# KiCad board keyboard.kicad_pcb (continued)
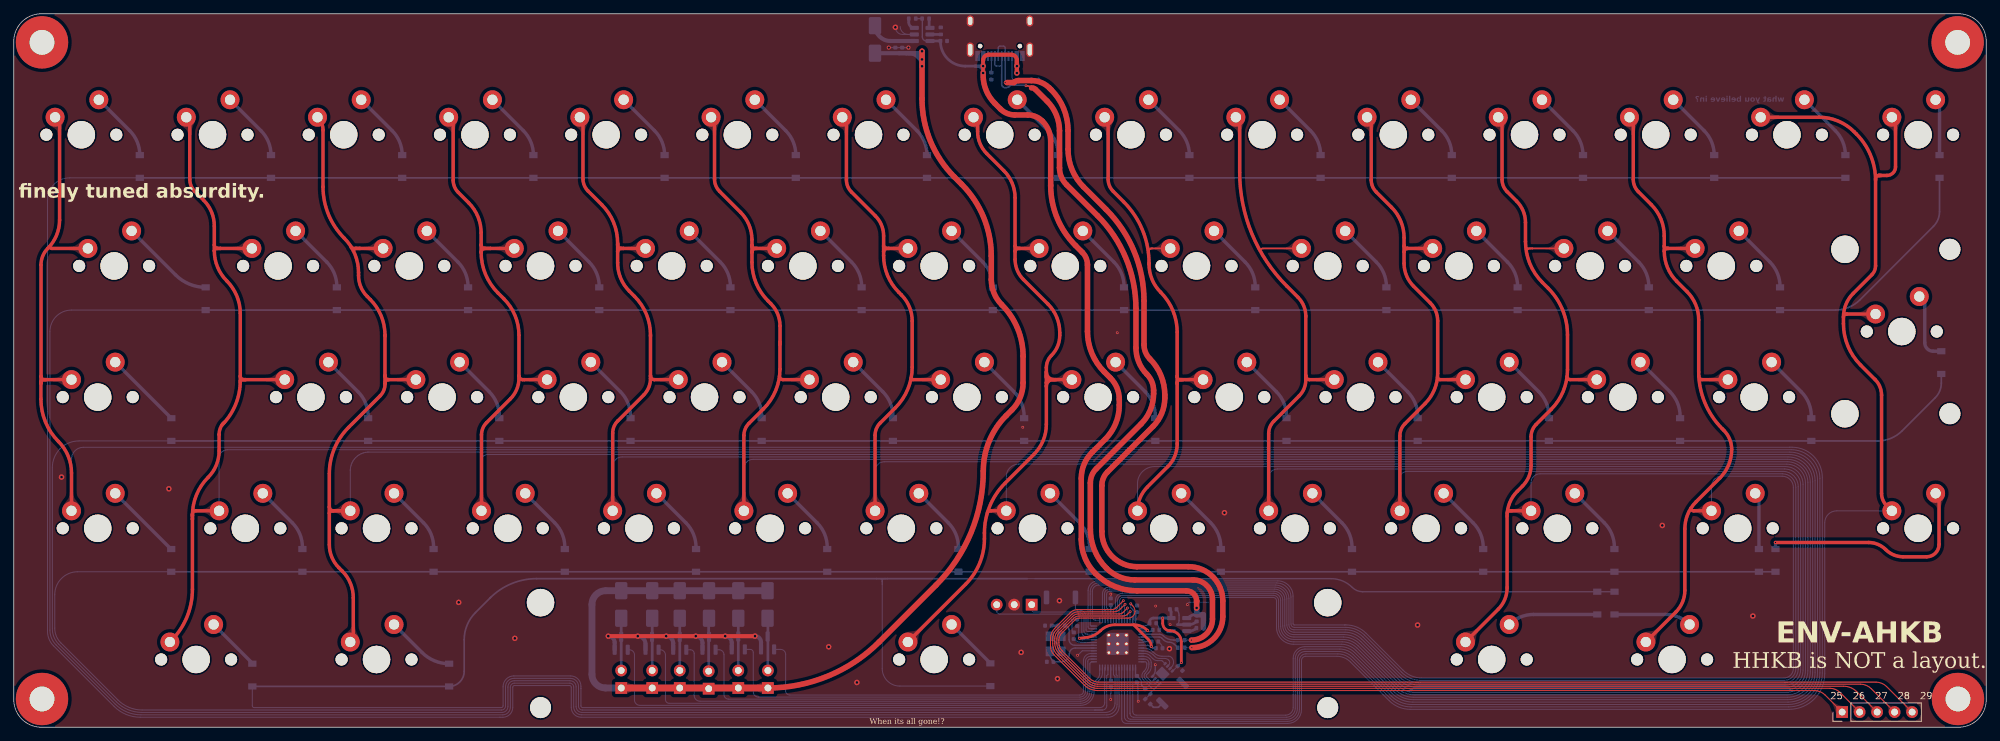
[diagram p0: board, top side]
## Routing (per net, layer and track width the routed paths; a pad name or vN(x,y) marks a point on that pad's centre or on a via; arc(x,y) is an arc through that point) (continued)
  Bottom w0.4: 168.95,14.9 U1.2 170.62,14.9 arc(171.23,15.02) C16.2
  Bottom w0.6: Q6.2 87.25,12.3 arc(86.98,12.95) v2(86.33,13.23) ; Q3.2 100,12.25 arc(99.71,12.94) v2(99.02,13.23) ; Q1.2 104.25,12.27 arc(103.97,12.95) v2(103.3,13.23) ; Q2.2 108.5,12.35 arc(108.24,12.97) v2(107.63,13.23) ; Q5.2 91.73,12.1 arc(91.4,12.9) v2(90.6,13.23) ; Q4.2 95.75,12.2 arc(95.45,12.92) v2(94.73,13.23)
  vias: v1(146.51,43.56) v1(160.22,57.28) v1(165.8,17.6) v1(167.9,14.9) v2(6.93,36.33) v2(22.52,34.62) v2(64.6,18.13) v2(72.75,12.91) v2(118.33,11.68) v2(122.42,6.5) v2(146.27,10.87) v2(151.55,7.05) v2(151.83,18.38) v2(167.8,11.4) v2(175.79,31.15) v2(203.83,14.84) v2(239.37,29.3) v2(252.52,16.15)
VBUS: length 141.7
  Top w0.5: 140.75,94.69 v2(140.75,96) 140.75,96.85
  Top w0.6: v2(145.65,96) 145.65,96.87 arc(145.42,97.43) 144.86,97.66 141.56,97.66 arc(140.99,97.42) 140.75,96.85 ; 145.65,96.71 v2(145.65,95)
  Top w0.8: v2(171.75,17.32) 171.75,18.33 arc(171.32,19.38) 170.27,19.81 163.11,19.81 arc(159.83,20.46) 157.05,22.32 arc(155.53,24.59) 155,27.27 155,36.13 arc(155.41,38.17) 156.56,39.9 158.47,41.81 arc(159.99,44.08) 160.52,46.76 160.52,47.61 arc(160.19,49.28) 159.24,50.7 158.34,51.6 arc(156.53,54.3) 155.9,57.49 155.9,67.14 arc(155.7,68.13) 155.14,68.97 154.18,69.93 arc(151.5,73.94) 150.56,78.67 150.56,85.11 arc(150.25,86.68) 149.36,88.01 arc(148.36,88.68) 147.19,88.91 145.34,88.91 arc(144.22,89.13) 143.27,89.77 142.45,90.59 arc(141.19,92.47) 140.75,94.69
  Bottom w0.15: J1.A9 145.65,96.45
  Bottom w0.2: U2.6 132.52,99.65 arc(132.1,99.83) 131.92,100.25 131.92,102.87 arc(131.91,102.89) R9.1 R10.1
  Bottom w0.4: 139.57,96 v2(140.75,96) ; 139.57,96 138.16,96 arc(135.61,97.06) 134.55,99.61 C19.1 U2.6 ; 139.57,96 140.22,96 arc(140.6,96.15) 140.75,96.53 J1.A4 ; 139.57,96 139.75,96 arc(140.46,95.71) v2(140.75,95) ; C16.1 171.43,16.33 arc(171.06,16.26) 170.75,16.05 170.72,16.02 arc(170.53,15.89) U1.1
  Bottom w0.6: J1.A4 v2(140.75,96) v2(140.75,95) ; v2(145.65,95) v2(145.65,96) J1.A9
  Bottom w0.8: R7.2 172.73,16.33 C16.1 v2(171.75,17.32)
/QSPI_SS: length 9.1
  Bottom w0.15: 165.8,5.72 U103.1 ; 165.8,5.72 165.12,5.05 arc(165.06,4.95) R1.1 ; 165.8,5.72 arc(165.49,5.6) 165.18,5.72 164.06,6.84 arc(163.81,7.46) 164.06,8.08 164.15,8.16 arc(164.42,8.57) 164.51,9.05 164.51,9.25 arc(164.44,9.43) 164.26,9.5 U101.56 ; R8.2 164.77,4.57 arc(164.96,4.69) 165.19,4.74
/USB_D+: length 120.8
  Top w0.25: v1(143.95,93.61) 144.21,93.61
  Top w0.8: 144.21,93.61 145.2,93.61 145.26,93.66 arc(145.56,93.84) 145.9,93.9 147.75,93.9 arc(149.18,93.62) 150.4,92.8 150.63,92.57 arc(152.44,89.86) 153.08,86.66 153.08,83.89 arc(153.66,80.95) 155.33,78.46 158.6,75.19 arc(162.68,69.09) 164.11,61.89 164.11,55.54 arc(164.33,54.43) 164.96,53.49 arc(166.57,51.09) 167.13,48.25 167.13,47.82 arc(166.68,45.57) 165.41,43.67 158.8,37.06 arc(158.2,36.16) 157.99,35.1 157.99,28.42 arc(159.49,24.81) 163.1,23.31 170.58,23.31 arc(174.09,21.85) 175.55,18.34 175.55,16.05 arc(174.23,12.87) v1(171.05,11.55)
  Bottom w0.15: 170.03,11.55 v1(171.05,11.55)
  Bottom w0.2: v1(143.95,93.61) J1.B6 143.95,98.65 arc(143.88,98.83) 143.7,98.9 143.2,98.9 arc(143.02,98.83) 142.95,98.65 J1.A6
/USB_D-: length 117.5
  Top w0.25: v1(146.97,93.15) 147.04,93.15 arc(147.45,93.07) 147.79,92.84
  Top w0.8: 147.79,92.84 arc(148.09,92.78) 148.35,92.61 150.05,90.91 arc(151.37,88.93) 151.84,86.59 151.84,81.24 arc(152.1,79.91) 152.86,78.78 157.35,74.29 arc(161.49,68.1) 162.94,60.8 162.94,55.09 arc(163.35,53.01) 164.53,51.25 arc(165.25,50.18) 165.5,48.91 165.5,48.44 arc(165.03,46.06) 163.67,44.04 157.17,37.53 arc(156.54,36.59) 156.32,35.48 156.32,28.75 arc(156.93,25.68) 158.67,23.08 arc(160.54,21.83) 162.75,21.39 171.24,21.39 arc(173.23,20.57) 174.05,18.58 174.05,15.7 arc(173.16,13.54) v1(171,12.65)
  Bottom w0.15: 170.03,12.65 v1(171,12.65)
  Bottom w0.2: J1.B7 142.45,96.26 arc(142.52,96.08) 142.7,96.01 143.2,96.01 arc(143.38,96.08) 143.45,96.26 143.45,96.55 ; 143.45,96.55 J1.A7 ; 143.45,96.55 143.45,94.87
  Bottom w0.25: 143.45,94.87 143.45,93.39 arc(143.61,93.02) 143.98,92.86 arc(144.37,92.94) 144.7,93.16 144.76,93.22 arc(144.78,93.23) 144.81,93.24 146.96,93.24 146.96,93.17 arc(146.96,93.16) v1(146.97,93.15)
col0: length 487.6
  Top w0.5: 10.76,69.53 5.53,69.53 arc(5.33,69.61) 5.24,69.81 ; K_42.1 8.38,36.92 arc(7.89,39.4) 6.49,41.49 arc(4.6,44.31) 3.94,47.65 3.94,49.94 ; 3.95,50.92 3.95,49.95 arc(3.95,49.94) 3.94,49.94 ; 3.95,50.92 3.95,67.15 arc(4.21,68.44) 4.94,69.53 arc(6.21,71.42) 6.65,73.66 6.65,87.92 K_0.1 ; 3.95,50.92 arc(4.09,50.61) 4.4,50.48 4.69,50.48 ; 4.69,50.48 4.19,50.48 arc(4.01,50.4) 3.94,50.22 3.94,49.94 ; 4.69,50.48 K_29.1
  Bottom w0.15: U101.5 161.27,1.53 arc(161.47,1.05) 161.95,0.85 184.95,0.85 arc(186.17,1.36) 186.67,2.58 186.67,9.7 arc(186.95,10.37) 187.62,10.65 192.25,10.65 arc(193.32,10.44) 194.23,9.83 199.84,4.22 arc(201.25,3.28) 202.9,2.95 257.67,2.95 arc(261.16,4.39) 262.6,7.88 262.6,36.23 ; K_42.1 8.38,38.93 arc(8.89,40.15) 10.1,40.65 257.88,40.65 257.88,40.66 258.21,40.66 arc(261.32,39.37) 262.6,36.27
col1: length 494.6
  Top w0.5: K_43.1 26.4,31.43 arc(26.07,31.29) 25.94,30.97 25.94,30.23 ; 25.94,30.23 25.94,20.02 arc(25.14,15.98) 22.85,12.55 K_56.1 ; 25.94,30.23 25.94,30.76 arc(26.54,33.75) 28.23,36.29 arc(29.4,38.04) 29.81,40.11 29.81,42.5 arc(30,43.46) 30.54,44.27 ; 33.65,50.48 33.25,50.48 arc(32.99,50.37) 32.89,50.11 ; 33.65,50.48 K_30.1 ; 33.65,50.48 33.39,50.48 arc(33.03,50.62) 32.89,50.97 ; 32.89,50.97 32.89,60.08 arc(32.38,62.64) 30.93,64.81 arc(29.59,66.81) 29.12,69.18 ; 32.89,50.97 32.89,50.32 arc(32.19,46.82) 30.21,43.86 ; 29.12,69.18 29.12,70 ; 29.12,69.18 arc(29.22,69.42) 29.47,69.53 29.99,69.53 ; 29.12,70 29.12,72.78 arc(28.72,74.81) 27.56,76.53 26.28,77.82 arc(25.74,78.63) 25.55,79.59 25.55,88.07 K_1.1 ; 29.12,70 arc(29.26,69.66) 29.6,69.53 29.99,69.53 ; 34.57,69.53 29.99,69.53
  Bottom w0.15: K_43.1 29.81,39.04 29.81,39.15 29.85,39.36 29.93,39.57 30.04,39.76 30.18,39.93 30.35,40.07 30.54,40.18 30.75,40.26 30.96,40.3 31.07,40.3 258.07,40.3 arc(261.03,39.08) 262.25,36.13 262.25,7.9 arc(260.9,4.65) 257.65,3.3 203.02,3.3 arc(201.39,3.62) 200.01,4.55 194.41,10.14 arc(193.46,10.78) 192.34,11 187.52,11 arc(186.71,10.66) 186.38,9.85 186.38,2.68 arc(185.93,1.6) 184.85,1.15 162.16,1.15 arc(161.82,1.29) 161.67,1.64 U101.4
col2: length 472.8
  Top w0.5: 53.9,51.05 53.9,56.94 arc(53.34,59.74) 51.76,62.11 51.32,62.55 arc(50.39,63.95) 50.06,65.59 50.06,66.01 arc(49.52,68.72) 47.99,71.01 arc(45.7,74.43) 44.9,78.47 44.9,86.74 arc(44.71,87.7) 44.17,88.51 K_2.1 ; 53.9,51.05 53.9,50.99 arc(54.05,50.63) 54.42,50.48 ; 53.9,51.05 53.9,49.96 ; 50.26,69.53 49.67,69.53 arc(49.42,69.42) 49.31,69.17 ; 50.26,69.53 53.62,69.53 ; 50.26,69.53 49.24,69.53 arc(49.04,69.61) 48.96,69.81 ; 53.9,49.96 53.9,49.8 arc(53.72,48.9) 53.21,48.14 48.61,43.53 arc(46.54,40.44) 45.82,36.8 45.82,32.02 ; 53.9,49.96 arc(54.05,50.32) 54.42,50.48 ; 45.82,32.02 45.82,31.07 ; 45.82,32.02 arc(45.99,31.6) 46.42,31.43 K_44.1 46.17,31.43 arc(45.92,31.32) 45.82,31.07 ; 45.82,31.07 45.82,26.5 arc(46.18,24.7) 47.2,23.17 47.69,22.68 arc(48.88,20.9) 49.3,18.8 49.3,12.81 K_57.1 ; K_31.1 54.42,50.48
  Bottom w0.15: K_44.1 48.86,37.26 48.86,37.42 48.9,37.75 48.98,38.06 49.1,38.37 49.25,38.65 49.43,38.92 49.65,39.16 49.89,39.38 50.16,39.56 50.45,39.72 50.75,39.83 51.07,39.91 51.39,39.95 51.55,39.95 257.88,39.95 arc(260.72,38.77) 261.9,35.93 261.9,7.93 arc(260.65,4.9) 257.62,3.65 203.15,3.65 arc(201.53,3.97) 200.16,4.89 194.51,10.54 arc(193.61,11.14) 192.55,11.35 187.46,11.35 arc(186.48,10.94) 186.07,9.97 186.07,2.75 arc(185.69,1.83) 184.77,1.45 162.61,1.45 arc(162.23,1.61) 162.08,1.98 162.07,2.05 U101.3
col3: length 424.6
  Top w0.5: 73.35,51.02 73.35,50.68 arc(73.03,49.06) 72.11,47.69 68.64,44.22 arc(68.1,43.41) 67.91,42.45 K_45.1 ; 73.35,51.02 73.35,56.93 arc(72.78,59.78) 71.17,62.2 70.3,63.07 arc(68.49,65.77) 67.86,68.96 ; 73.35,51.02 arc(73.51,50.63) 73.89,50.48 K_32.1 ; 67.86,68.96 67.86,70.05 ; 67.86,68.96 arc(68.03,69.36) 68.42,69.53 69.2,69.53 ; 67.86,70.05 67.86,71.79 arc(67.39,74.15) 66.06,76.14 64.53,77.67 arc(63.99,78.48) 63.8,79.44 63.8,87.92 K_3.1 ; 67.86,70.05 arc(68.01,69.68) 68.39,69.53 69.2,69.53 ; 69.2,69.53 72.67,69.53
  Bottom w0.15: U101.2 162.47,2.25 arc(162.62,1.9) 162.97,1.75 184.65,1.75 arc(185.45,2.08) 185.77,2.88 185.77,10.01 arc(186.27,11.21) 187.46,11.7 192.65,11.7 arc(193.75,11.48) 194.69,10.85 200.35,5.19 arc(201.67,4.31) 203.23,4 257.57,4 arc(260.39,5.16) 261.55,7.98 261.55,35.8 arc(260.44,38.49) 257.75,39.6 68.78,39.6 arc(68.17,39.35) 67.91,38.74 K_45.1
col4: length 397.8
  Top w0.5: K_46.1 86.96,42.7 arc(87.15,43.66) 87.69,44.47 91.45,48.23 arc(92.19,49.33) 92.45,50.64 92.45,51.04 ; 92.45,51.04 92.45,56.96 arc(91.85,60) 90.12,62.58 89.38,63.32 arc(88.12,65.2) 87.68,67.42 87.68,69.07 ; 92.45,51.04 arc(92.62,50.64) 93.02,50.48 K_33.1 ; 88.51,69.53 88.16,69.53 arc(87.82,69.67) 87.68,70.01 87.68,70.16 ; 88.51,69.53 88.13,69.53 arc(87.81,69.39) 87.68,69.07 ; 88.51,69.53 91.72,69.53 ; 87.68,69.07 87.68,70.16 ; K_4.1 82.65,88.12 82.65,79.64 arc(82.84,78.68) 83.38,77.87 85.38,75.86 arc(87.08,73.32) 87.68,70.32 87.68,70.16
  Bottom w0.15: U101.36 160.47,17.06 160.57,17.15 160.57,18.4 arc(160.7,18.72) 161.02,18.85 182.87,18.85 arc(183.21,18.71) 183.35,18.37 183.35,14.52 arc(184.07,12.77) 185.82,12.05 192.76,12.05 arc(193.9,11.82) 194.86,11.18 200.57,5.47 arc(201.81,4.64) 203.28,4.35 257.55,4.35 arc(260.13,5.42) 261.2,8 261.2,35.68 arc(260.15,38.2) 257.62,39.25 88.33,39.25 arc(87.36,38.85) 86.96,37.89 K_46.1
col5: length 377.6
  Top w0.5: 107.9,69.53 107.7,69.53 arc(107.33,69.37) 107.18,69 107.18,68.96 ; 107.9,69.53 110.77,69.53 ; 107.9,69.53 107.56,69.53 arc(107.29,69.64) 107.18,69.9 107.18,70.02 ; 107.18,70.02 107.18,68.96 ; 107.18,70.02 107.18,70.8 arc(106.75,72.94) 105.54,74.76 102.48,77.82 arc(101.94,78.63) 101.75,79.59 101.75,88.07 K_5.1 ; K_34.1 111.67,50.48 arc(111.32,50.62) 111.18,50.96 ; 107.18,68.96 107.18,67.54 arc(107.78,64.5) 109.51,61.92 109.91,61.52 arc(110.91,60.03) 111.26,58.26 111.26,55.58 ; 111.25,56.02 111.25,52.01 arc(110.63,48.88) 108.86,46.23 106.74,44.12 arc(106.2,43.31) 106.01,42.35 K_47.1
  Bottom w0.15: K_47.1 106.01,37.56 arc(106.41,38.51) 107.36,38.9 257.52,38.9 arc(259.88,37.93) 260.85,35.58 260.85,8.05 arc(259.87,5.68) 257.5,4.7 203.43,4.7 arc(201.96,4.99) 200.71,5.83 195.02,11.52 arc(194.04,12.17) 192.89,12.4 185.87,12.4 arc(184.3,13.05) 183.65,14.62 183.65,18.38 arc(183.42,18.92) 182.88,19.15 161,19.15 arc(160.48,18.94) 160.27,18.42 160.27,17.28 160.07,17.07 160.07,17.07 U101.35
col6: length 356.8
  Top w0.5: K_6.1 120.9,87.97 120.9,79.49 arc(121.09,78.53) 121.63,77.72 125.11,74.24 arc(125.99,72.92) 126.3,71.37 126.3,69.87 ; K_48.1 125.06,42.4 arc(125.25,43.36) 125.79,44.17 128,46.37 arc(129.81,49.09) 130.45,52.29 130.45,58.98 arc(130.04,61.04) 128.87,62.79 128.5,63.16 arc(126.87,65.6) 126.3,68.47 126.3,69.08 ; 129.82,69.53 127.07,69.53 ; 127.07,69.53 126.64,69.53 arc(126.4,69.63) 126.3,69.87 ; 127.07,69.53 126.74,69.53 arc(126.43,69.39) 126.3,69.08 ; 126.3,69.87 126.3,69.08 ; K_35.1 130.57,50.48 arc(130.38,50.55) 130.3,50.74
  Bottom w0.15: U101.34 159.67,17.1 159.97,17.4 159.97,18.46 arc(160.26,19.16) 160.96,19.45 182.95,19.45 arc(183.66,19.16) 183.95,18.45 183.95,14.65 arc(184.51,13.31) 185.85,12.75 192.97,12.75 arc(194.18,12.51) 195.21,11.82 200.94,6.09 arc(202.09,5.32) 203.45,5.05 257.35,5.05 arc(259.58,5.97) 260.5,8.2 260.5,35.55 arc(259.62,37.67) 257.5,38.55 126.42,38.55 arc(125.46,38.15) 125.06,37.19 K_48.1
col7: length 372
  Top w0.5: K_36.1 151.27,50.48 ; 151.27,50.48 150.5,50.48 ; 151.27,50.48 151.03,50.48 ; K_7.1 139.95,87.97 139.95,86.5 arc(140.29,84.77) 141.28,83.3 143.75,80.82 arc(144.96,79.01) 145.39,76.87 145.39,69.88 ; 150.5,50.48 150.41,50.48 arc(150.07,50.34) 149.93,50 ; 150.5,50.48 150.29,50.48 arc(150.04,50.58) 149.93,50.84 ; 150.5,50.48 arc(150.1,50.64) 149.93,51.05 149.93,51.58 ; 145.39,69.88 145.39,69.09 ; 145.39,69.88 arc(145.49,69.63) 145.74,69.53 146.07,69.53 ; 149.93,51.58 149.93,50.84 ; 149.93,51.58 149.93,52.2 arc(150.12,53.17) 150.67,53.99 arc(151.56,55.32) 151.88,56.9 151.88,57.32 arc(151.43,59.55) 150.17,61.44 146.61,65 arc(145.71,66.35) 145.39,67.94 145.39,69.09 ; 149.93,51.58 arc(150.25,50.8) 151.03,50.48 ; 145.39,69.09 arc(145.52,69.4) 145.82,69.53 146.07,69.53 ; 151.03,50.48 150.88,50.48 arc(150.21,50.2) 149.93,49.53 ; K_49.1 141.68,31.43 arc(141.45,31.33) 141.36,31.11 ; 149.93,50.84 149.93,50 ; 149.93,49.53 149.93,43.95 arc(149.47,41.62) 148.15,39.65 143.94,35.44 arc(141.72,32.12) 140.94,28.2 140.94,27.34 arc(140.23,23.79) 138.22,20.78 129.83,12.39 arc(129.83,12.38) K_58.1 ; 149.93,49.53 149.93,50 ; 148.87,69.53 146.07,69.53
  Bottom w0.15: K_49.1 144.11,36.41 arc(144.64,37.68) 145.9,38.2 257.43,38.2 arc(259.35,37.4) 260.15,35.48 260.15,8.23 arc(259.32,6.23) 257.33,5.4 203.68,5.4 arc(202.24,5.69) 201.03,6.5 195.38,12.14 arc(194.32,12.85) 193.07,13.1 185.88,13.1 arc(184.73,13.58) 184.25,14.73 184.25,18.5 arc(183.88,19.38) 183,19.75 159.12,19.75 arc(158.81,19.62) 158.67,19.3 158.67,17.35 158.87,17.15 U101.32
col8: length 317.2
  Top w0.25: 165,69.53 167.92,69.53 ; 165.27,69.53 arc(164.89,69.37) 164.74,68.99
  Top w0.5: 168.93,49.88 168.93,50.07 arc(169.05,50.36) 169.34,50.48 169.77,50.48 ; 168.93,49.88 168.93,41.15 arc(168.57,39.36) 167.55,37.84 164.59,34.87 arc(163.53,33.29) K_50.1 ; 168.93,49.88 168.93,51.01 ; K_37.1 169.77,50.48 ; 169.77,50.48 169.3,50.48 arc(169.04,50.58) 168.93,50.85 168.93,51.01 ; 168.93,51.01 168.93,57.35 arc(168.3,60.5) 166.52,63.17 arc(165.28,65.03) 164.84,67.23 164.84,67.39 arc(163.88,72.21) 161.15,76.3 159.63,77.82 arc(159.09,78.63) 158.9,79.59 158.9,88.07 K_8.1
  Bottom w0.15: K_50.1 163.16,35.36 arc(163.89,37.12) 165.65,37.85 257.22,37.85 arc(259.05,37.1) 259.8,35.28 259.8,8.3 arc(259.05,6.5) 257.25,5.75 204.05,5.75 arc(202.41,6.08) 201.01,7.01 195.58,12.44 arc(194.46,13.19) 193.14,13.45 185.84,13.45 arc(184.93,13.83) 184.55,14.74 184.55,18.58 arc(184.12,19.62) 183.08,20.05 159.09,20.05 arc(158.58,19.84) 158.37,19.33 158.37,17.01 158.47,16.91 U101.31
col9: length 303.4
  Top w0.25: K_38.1 187.99,50.48 arc(187.7,50.36) 187.58,50.07 ; 186.97,69.53 181.38,69.53 arc(181.1,69.41) 180.99,69.14
  Top w0.5: K_9.1 178,88.02 178,80.59 arc(179.78,71.64) 184.85,64.05 186.47,62.43 arc(187.31,61.18) 187.6,59.7 187.6,51.03 ; K_38.1 188.11,50.48 arc(187.75,50.62) 187.6,50.98 187.6,51.03 ; 187.6,51.03 187.6,50.42 arc(187.35,49.18) 186.65,48.12 182.94,44.42 arc(182.4,43.61) 182.21,42.65 K_51.1
  Bottom w0.15: U101.30 158.07,19.35 arc(158.37,20.06) 159.07,20.35 183.14,20.35 arc(184.35,19.85) 184.85,18.64 184.85,14.85 arc(185.16,14.11) 185.9,13.8 193.29,13.8 arc(194.61,13.54) 195.72,12.79 201.18,7.33 arc(202.55,6.42) 204.16,6.1 257.18,6.1 arc(258.78,6.77) 259.45,8.38 259.45,35.18 arc(258.77,36.82) 257.12,37.5 183.46,37.5 arc(182.58,37.13) 182.21,36.25 K_51.1
col10: length 280.3
  Top w0.5: 202.36,69.53 202.27,69.53 arc(201.99,69.64) 201.87,69.93 ; 202.36,69.53 206.02,69.53 ; 202.36,69.53 arc(202.01,69.38) 201.87,69.03 ; K_10.1 197.1,87.97 197.1,79.49 arc(197.29,78.53) 197.83,77.72 200.04,75.51 arc(201.39,73.48) 201.87,71.09 201.87,69.93 ; K_52.1 201.26,42.3 arc(201.45,43.26) 201.99,44.07 204.93,47 arc(206.28,49.02) 206.75,51.4 206.75,59.01 arc(206.47,60.42) 205.67,61.62 203.24,64.05 arc(202.23,65.57) 201.87,67.36 201.87,69.03 ; 201.87,69.93 201.87,69.03 ; K_39.1 207.09,50.48 arc(206.83,50.58) 206.72,50.84
  Bottom w0.15: K_52.1 201.26,36.13 arc(201.56,36.85) 202.29,37.15 256.9,37.15 arc(258.46,36.51) 259.1,34.95 259.1,8.45 arc(258.51,7.04) 257.1,6.45 204.27,6.45 arc(202.69,6.76) 201.35,7.66 195.92,13.1 arc(194.75,13.88) 193.37,14.15 185.87,14.15 arc(185.36,14.36) 185.15,14.87 185.15,18.68 arc(184.57,20.07) 183.18,20.65 157.54,20.65 arc(156.88,20.38) 156.61,19.72 156.61,16 arc(156.75,15.67) 157.07,15.54 U101.29
col11: length 288.1
  Top w0.25: 220.49,69.53 220.16,69.53 arc(219.8,69.38) 219.65,69.02 ; 220.49,69.53 219.88,69.53 arc(219.63,69.63) 219.52,69.88 ; 220.49,69.53 225.07,69.53
  Top w0.5: K_53.1 217.23,31.43 arc(216.96,31.31) 216.84,31.04 ; K_11.1 216.1,88.02 216.1,79.54 arc(216.29,78.58) 216.83,77.77 218.22,76.38 arc(219.17,74.96) 219.5,73.29 219.5,70.52 arc(220.14,67.3) 221.96,64.58 222.79,63.75 arc(224.87,60.64) 225.6,56.97 225.6,51.92 arc(224.98,48.78) 223.2,46.13 221.04,43.97 arc(220.5,43.16) 220.31,42.2 220.31,38.02 arc(219.99,36.4) 219.07,35.02 218.31,34.26 arc(217.21,32.62) 216.83,30.69 216.83,20.23 arc(216.5,18.56) 215.55,17.14 K_59.1 ; K_40.1 225.98,50.48 arc(225.67,50.61) 225.54,50.92
  Bottom w0.15: K_53.1 220.31,35.5 arc(220.69,36.42) 221.61,36.8 256.8,36.8 arc(258.18,36.23) 258.75,34.85 258.75,8.5 arc(258.25,7.3) 257.05,6.8 204.36,6.8 arc(202.83,7.1) 201.53,7.97 196.13,13.37 arc(194.88,14.21) 193.41,14.5 185.93,14.5 arc(185.59,14.64) 185.45,14.98 185.45,18.89 arc(184.85,20.35) 183.39,20.95 157.5,20.95 arc(156.66,20.6) 156.31,19.76 156.31,19.35 156.3,19.34 156.3,14.84 arc(156.34,14.74) 156.44,14.7 U101.28
col12: length 260.4
  Top w0.5: 239.65,69.11 239.65,69.9 ; 239.65,69.11 arc(240.12,66.75) 241.45,64.76 242.95,63.26 arc(244.21,61.38) 244.65,59.16 244.65,51.62 arc(245.54,47.13) 248.09,43.32 248.28,43.13 arc(249.14,41.84) 249.44,40.33 arc(248.99,38.09) 247.72,36.18 244.26,32.72 arc(243.06,30.93) 242.64,28.81 242.64,19.87 arc(242.3,18.17) 241.34,16.74 K_60.1 ; 239.65,69.11 arc(239.77,69.4) 240.06,69.53 240.22,69.53 ; 239.65,69.9 239.65,71.34 arc(239.16,73.8) 237.77,75.88 235.88,77.77 arc(235.34,78.58) 235.15,79.54 235.15,88.02 K_12.1 ; 239.65,69.9 arc(239.76,69.63) 240.02,69.53 240.22,69.53 ; 244.12,69.53 240.22,69.53 ; K_41.1 245.14,50.48 arc(244.81,50.61) 244.67,50.95 ; K_54.1 243.91,31.43 arc(243.64,31.54) 243.53,31.81
  Bottom w0.15: U101.27 156.26,14.3 arc(156.07,14.38) 155.99,14.57 155.99,19.85 arc(156.4,20.84) 157.4,21.25 183.55,21.25 arc(185.11,20.61) 185.75,19.05 185.75,15.02 arc(185.8,14.9) 185.92,14.85 193.26,14.85 193.27,14.86 193.42,14.86 arc(195.01,14.54) 196.36,13.64 201.73,8.27 arc(202.97,7.44) 204.44,7.15 257.02,7.15 arc(258,7.55) 258.4,8.53 258.4,34.83 arc(257.92,35.97) 256.77,36.45 248.02,36.45 arc(246.95,36.01) 246.51,34.93 K_54.1
col13: length 247.8
  Top w0.5: 270.71,80.12 271.12,80.12 ; 271.12,80.12 270.82,80.12 arc(270.47,79.98) 270.33,79.63 270.33,79.56 ; 271.12,80.12 271.98,80.12 arc(272.86,80.49) 273.23,81.37 273.23,88.04 arc(273.07,88.42) K_14.1 ; K_28.1 266.08,60 arc(265.79,59.88) 265.67,59.59 ; K_55.1 271.93,32.19 arc(271.39,33) 271.2,33.96 271.2,48.23 arc(270.96,49.45) 270.27,50.48 268.15,52.6 arc(266.31,55.35) 265.67,58.59 265.67,59.59 ; K_13.1 262.13,88.58 arc(264.89,88.03) 267.23,86.46 267.54,86.15 arc(269.6,83.06) 270.33,79.41 270.33,66.98 arc(270.19,66.3) 269.81,65.72 267.08,62.99 arc(266.04,61.43) 265.67,59.59
  Bottom w0.15: K_55.1 264.7,31.43 arc(263.46,30.91) 262.95,29.68 262.95,7.75 arc(261.44,4.11) 257.8,2.6 202.74,2.6 arc(201.1,2.93) 199.71,3.85 194.08,9.48 arc(193.18,10.09) 192.11,10.3 187.6,10.3 arc(187.16,10.12) 186.97,9.68 186.97,2.55 arc(186.39,1.14) 184.97,0.55 161.54,0.55 arc(161.07,0.75) 160.87,1.22 U101.6
QSPI_SCLK: length 5.4
  Bottom w0.15: U101.52 163.91,11.1 164.06,11.1 164.35,11.06 164.64,10.98 164.92,10.87 165.18,10.72 165.42,10.53 165.52,10.43 165.71,10.24 arc(165.99,10.05) 166.32,9.99 167.11,9.99 arc(167.42,9.93) 167.69,9.75 167.7,9.73 arc(167.85,9.39) 167.7,9.04 U103.6
QSPI_SD0: length 4
  Bottom w0.15: U101.53 164.24,10.7 arc(164.62,10.62) 164.95,10.41 165.4,9.96 arc(165.72,9.74) 166.09,9.67 166.63,9.67 arc(166.72,9.65) 166.79,9.61 U103.5
QSPI_SD1: length 6.2
  Bottom w0.15: U101.55 164.24,9.9 arc(164.66,9.73) 164.82,9.32 164.82,9.12 arc(164.69,8.44) 164.31,7.87 164.29,7.84 arc(164.12,7.45) 164.29,7.06 164.9,6.44 arc(165.38,6.25) 165.85,6.44 166.06,6.66 U103.2
QSPI_SD2: length 5.9
  Bottom w0.15: U101.54 164.09,10.3 arc(164.54,10.21) 164.91,9.96 arc(165.09,9.69) 165.16,9.38 165.16,8.8 arc(165.06,8.33) 164.79,7.93 164.51,7.64 arc(164.43,7.46) 164.51,7.29 165.05,6.74 arc(165.23,6.67) 165.41,6.74 U103.3
QSPI_SD3: length 6.6
  Bottom w0.15: U101.51 164.03,11.5 arc(164.77,11.35) 165.41,10.93 165.41,10.92 165.62,10.77 arc(166.12,10.43) 166.72,10.31 167.68,10.31 arc(167.92,10.26) 168.11,10.13 arc(168.4,9.44) 168.12,8.75 U103.7
row0: length 500.9
  Bottom w0.15: D_0.1 8.12,79.78 arc(5.84,78.83) 4.9,76.55 4.9,13.92 arc(5.13,12.79) 5.77,11.83 14.57,3.02 arc(16.31,1.86) 18.37,1.45 70.59,1.45 70.59,1.45 71.03,1.45 arc(72.03,1.86) 72.45,2.87 72.45,5.8 arc(72.52,5.98) 72.7,6.05 80.7,6.05 arc(80.88,5.98) 80.95,5.8 80.95,2.88 arc(81.37,1.87) 82.38,1.45 158.9,1.45 arc(160.03,1.92) 160.5,3.05 160.5,8.64 U101.7
  Bottom w0.25: D_0.1 D_1.1 D_2.1 D_3.1 D_4.1 D_5.1 D_6.1 D_7.1 D_8.1 D_9.1 D_10.1 D_11.1 D_12.1 D_13.1
row1: length 505.2
  Bottom w0.15: 27.86,60.58 8.37,60.58 arc(6.17,59.66) 5.25,57.45 5.25,14.1 arc(5.48,12.94) 6.14,11.95 14.74,3.34 arc(16.46,2.2) 18.47,1.8 71,1.8 arc(71.78,2.12) 72.1,2.9 72.1,5.82 arc(72.27,6.23) 72.68,6.4 80.73,6.4 arc(81.13,6.23) 81.3,5.83 81.3,2.95 arc(81.64,2.14) 82.45,1.8 158.71,1.8 arc(159.76,2.24) 160.2,3.29 160.2,7.52 160.07,7.65 U101.8
  Bottom w0.25: 27.86,60.58 264.5,60.58 arc(266.42,60.96) 268.04,62.04 278.74,72.74 arc(279.39,73.71) 279.62,74.86 D_14.1
row2: length 478.5
  Bottom w0.15: U101.9 159.67,7.63 159.9,7.4 159.9,3.5 arc(159.5,2.55) 158.55,2.15 82.5,2.15 arc(81.9,2.4) 81.65,3 81.65,5.88 arc(81.39,6.49) 80.78,6.75 72.66,6.75 arc(72.02,6.48) 71.75,5.84 71.75,3.01 arc(71.5,2.4) 70.89,2.15 18.6,2.15 arc(16.6,2.55) 14.9,3.68 6.52,12.06 arc(5.84,13.08) 5.6,14.29 5.6,37.7 arc(6.73,40.44) 9.47,41.58 22.87,41.58
  Bottom w0.25: 22.87,41.58 270.65,41.58 arc(272.57,41.96) 274.19,43.04 279,47.85 arc(279.65,48.82) 279.88,49.97 D_28.1
row3: length 429.5
  Bottom w0.15: 158.08,2.5 156.9,2.5 ; 158.08,2.5 156.9,2.5 ; 158.08,2.5 arc(158.52,2.68) 158.7,3.12 158.7,7.5 158.87,7.67 U101.11 ; 156.9,2.5 82.55,2.5 arc(82.16,2.66) 82,3.05 82,5.93 arc(81.66,6.76) 80.83,7.1 72.64,7.1 arc(71.76,6.74) 71.4,5.86 71.4,3.07 arc(71.23,2.67) 70.83,2.5 18.64,2.5 arc(16.74,2.88) 15.12,3.96 6.84,12.24 arc(6.18,13.23) 5.95,14.39 5.95,19.25 arc(6.92,21.6) 9.28,22.58 D_42.1
  Bottom w0.25: D_42.1 D_43.1 D_44.1 D_45.1 D_46.1 D_47.1 D_48.1 D_49.1 D_50.1 D_51.1 D_52.1 D_53.1 D_54.1 D_55.1
row4: length 381
  Bottom w0.15: 126.85,21.58 126.43,21.58 arc(126.2,21.48) 126.1,21.24 126.1,20.75 ; U101.12 158.4,8.59 158.4,3.55 arc(158.19,3.06) 157.7,2.85 82.6,2.85 arc(82.42,2.92) 82.35,3.1 82.35,5.65 82.35,5.65 82.35,5.95 arc(81.91,7.01) 80.85,7.45 72.61,7.45 arc(71.51,6.99) 71.05,5.89 71.05,3.1 arc(70.98,2.92) 70.8,2.85 34.89,2.85 arc(34.71,2.92) 34.64,3.1 D_56.1 ; 126.1,20.75 126.1,8.53 arc(126.85,6.72) 128.65,5.98 141.8,5.98 ; 126.1,20.75 126.1,21.24 arc(126,21.48) 125.77,21.58 125.27,21.58 ; 147.15,21.58 148.27,21.58
  Bottom w0.2: 148.27,21.58 191.27,21.58 arc(192.94,21.24) 194.35,20.3 arc(195.04,19.84) 195.86,19.68 D_60.1 ; 69.17,18.78 69.25,18.85
  Bottom w0.25: 147.15,21.58 75.93,21.58 arc(72.27,20.85) 69.17,18.78 ; 69.25,18.85 67.03,16.64 arc(65.82,14.83) 65.4,12.7 65.4,8.11 arc(64.76,6.57) D_57.1 D_56.1
SOL1: length 57.8
  Bottom w0.15: U101.18 156.39,10.7 arc(155.63,10.39) 155.31,9.62 155.31,5.2 arc(155.16,4.83) 154.79,4.68 112.67,4.68 arc(112.25,4.85) 112.08,5.28 112.08,10.58 arc(111.86,11.09) 111.35,11.3 Q2.1
SOL2: length 62.4
  Bottom w0.15: Q1.1 106.95,11.3 arc(107.25,11.18) 107.38,10.88 107.38,5.12 arc(107.59,4.59) 108.13,4.38 154.81,4.38 arc(155.38,4.61) 155.61,5.18 155.61,9.55 arc(155.83,10.08) 156.36,10.3 U101.17
SOL3: length 66.7
  Bottom w0.15: U101.16 156.27,9.9 arc(156.05,9.8) 155.95,9.58 155.95,5.2 arc(155.62,4.4) 154.82,4.08 103.8,4.08 arc(103.32,4.27) 103.13,4.75 103.13,10.52 arc(102.91,11.04) 102.4,11.25 Q3.1
SOL4: length 71.1
  Bottom w0.15: Q4.1 98.25,11.25 arc(98.64,11.09) 98.8,10.7 98.8,4.62 arc(99.05,4.02) 99.65,3.78 154.85,3.78 arc(155.84,4.19) 156.25,5.18 156.25,9.19 arc(156.34,9.41) 156.56,9.5 U101.15
SOL5: length 75
  Bottom w0.15: U101.14 157.67,7.83 arc(157.59,7.39) 157.34,7.01 156.77,6.45 arc(156.61,6.2) 156.55,5.91 156.55,5.15 arc(156.06,3.97) 154.88,3.48 95.15,3.48 arc(94.78,3.63) 94.62,4 94.62,10.48 arc(94.4,11.02) 93.85,11.25 Q5.1
SOL6: length 80.2
  Bottom w0.15: U101.13 158.07,7.93 arc(157.96,7.37) 157.65,6.9 157.06,6.31 arc(156.91,6.08) 156.85,5.8 156.85,5.12 arc(156.28,3.75) 154.9,3.18 90.92,3.18 arc(90.36,3.41) 90.12,3.98 90.12,10.5 arc(89.91,11.03) 89.38,11.25 Q6.1
VSYS: length 7
  Bottom w0.6: U2.1 C18.1 127.27,99.65 arc(125.7,100.3) D1.2
Net-(C14-Pad2): length 2.6
  Bottom w0.2: R4.1 151.61,14.44 arc(151.75,13.77) Y1.1
  Bottom w0.4: 150.71,14.75 R4.1
Net-(D1-K): length 194.6
  Top w0.8: v2(131.88,98.15) 131.88,91.25 arc(133.1,85.11) 136.57,79.9 137.61,78.86 arc(140.81,74.07) 141.94,68.42 141.94,65.02 arc(142.33,63.03) 143.46,61.34 arc(145.75,57.92) 146.55,53.88 146.55,50 arc(146.13,47.88) 144.92,46.07 144.1,45.25 arc(141.64,41.57) 140.77,37.22 arc(138.99,28.24) 133.9,20.63 125.67,12.4 arc(118.25,7.44) S6.1
  Top w1: S6.1 S5.1
  Bottom w0.6: 128.55,97.88 130.97,97.88 arc(131.61,97.61) v2(131.88,96.98) ; 128.55,97.88 129.57,97.88 ; 128.55,97.88 D1.1 ; 129.57,97.88 129.97,97.88 arc(131.32,97.32) v2(131.88,95.98) ; 129.57,97.88 131.6,97.88 arc(131.79,97.96) v2(131.88,98.15)
  Bottom w0.8: v2(131.88,95.98) v2(131.88,96.98) v2(131.88,98.15)
  Bottom w1: 109.45,19.83 88.2,19.83 arc(88.2,19.83) D7.1 85.95,19.82 arc(84.54,19.24) 83.95,17.82 83.95,7.67 arc(84.53,6.28) 85.92,5.7 S5.1
Net-(D2-A): length 7.6
  Bottom w0.4: 105.2,15.83 S1.2
Net-(D3-A): length 7.6
  Bottom w0.4: 109.45,15.83 109.5,15.78 S6.2
Net-(D4-A): length 7.7
  Bottom w0.4: S2.2 100.9,15.78 D4.2
Net-(D5-A): length 7.6
  Bottom w0.4: S3.2 D5.2
Net-(D6-A): length 7.6
  Bottom w0.4: S4.2 D6.2
Net-(D7-A): length 12.5
  Bottom w0.15: Q6.3 S5.2
  Bottom w0.4: S5.2 D7.2
Net-(D_0-A): length 10.3
  Bottom w0.5: K_0.2 16.84,86.63 arc(17.92,85.01) 18.3,83.09 D_0.2
Net-(D_1-A): length 10.3
  Bottom w0.5: D_1.2 37.35,83.09 arc(36.97,85.01) 35.89,86.63 K_1.2
Net-(D_2-A): length 10.3
  Bottom w0.5: D_2.2 56.4,83.09 arc(56.02,85.01) 54.94,86.63 K_2.2
Net-(D_3-A): length 10.3
  Bottom w0.5: K_3.2 73.99,86.63 arc(75.07,85.01) 75.45,83.09 D_3.2
Net-(D_4-A): length 10.3
  Bottom w0.5: K_4.2 93.04,86.63 arc(94.12,85.01) 94.5,83.09 D_4.2
Net-(D_5-A): length 10.3
  Bottom w0.5: K_5.2 112.09,86.63 arc(113.17,85.01) 113.55,83.09 D_5.2
Net-(D_6-A): length 10.3
  Bottom w0.5: D_6.2 132.6,83.09 arc(132.22,85.01) 131.14,86.63 K_6.2
Net-(D_7-A): length 10.3
  Bottom w0.5: K_7.2 150.19,86.63 arc(151.27,85.01) 151.65,83.09 D_7.2
Net-(D_8-A): length 10.3
  Bottom w0.5: D_8.2 170.7,83.09 arc(170.32,85.01) 169.24,86.63 K_8.2
Net-(D_9-A): length 10.3
  Bottom w0.5: K_9.2 188.29,86.63 arc(189.37,85.01) 189.75,83.09 D_9.2
Net-(D_10-A): length 10.3
  Bottom w0.5: D_10.2 208.8,83.09 arc(208.42,85.01) 207.34,86.63 K_10.2
Net-(D_11-A): length 10.3
  Bottom w0.5: D_11.2 227.85,83.09 arc(227.47,85.01) 226.39,86.63 K_11.2
Net-(D_12-A): length 10.3
  Bottom w0.5: D_12.2 246.9,83.09 arc(246.52,85.01) 245.44,86.63 K_12.2
Net-(D_13-A): length 10.3
  Bottom w0.5: K_13.2 264.49,86.63 arc(265.57,85.01) 265.95,83.09 D_13.2
Net-(D_14-A): length 8.3
  Bottom w0.5: K_14.2 279.62,90.54 D_14.2
Net-(D_15-A): length 13.9
  Bottom w0.5: K_15.2 23.49,65.68 arc(25.5,64.34) D_15.2
Net-(D_16-A): length 10.5
  Bottom w0.5: K_16.2 45.45,67.54 arc(46.53,65.92) 46.91,64.01 D_16.2
Net-(D_17-A): length 10.5
  Bottom w0.5: K_17.2 64.5,67.54 arc(65.58,65.92) 65.96,64.01 D_17.2
Net-(D_18-A): length 10.5
  Bottom w0.5: K_18.2 83.55,67.54 arc(84.63,65.92) 85.01,64.01 D_18.2
Net-(D_19-A): length 10.5
  Bottom w0.5: K_19.2 102.6,67.54 arc(103.68,65.92) 104.06,64.01 D_19.2
Net-(D_20-A): length 10.5
  Bottom w0.5: K_20.2 121.65,67.54 arc(122.73,65.92) 123.11,64.01 D_20.2
